# KiCad board Frooastboard Walnut.kicad_pcb
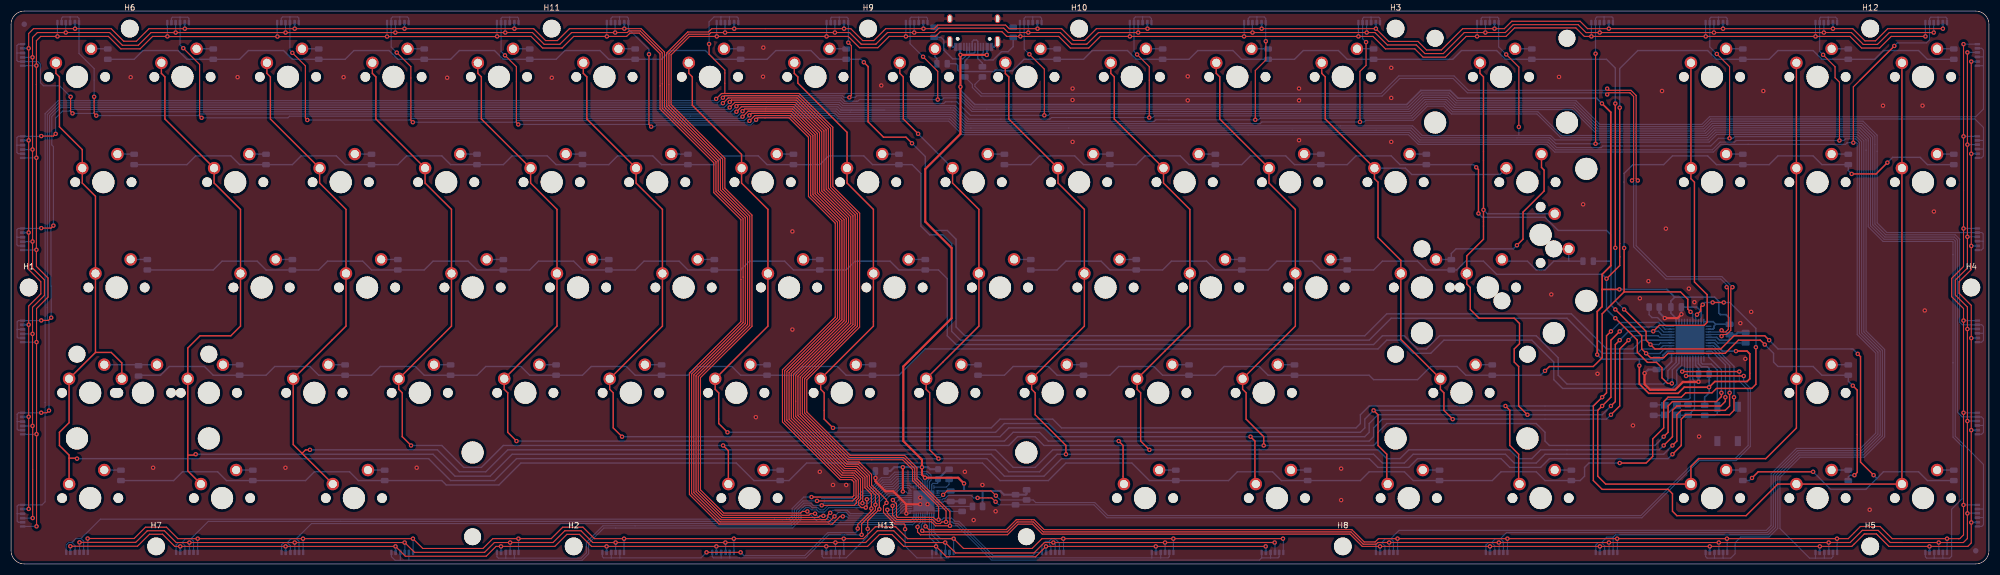
[diagram p0: board, top side]
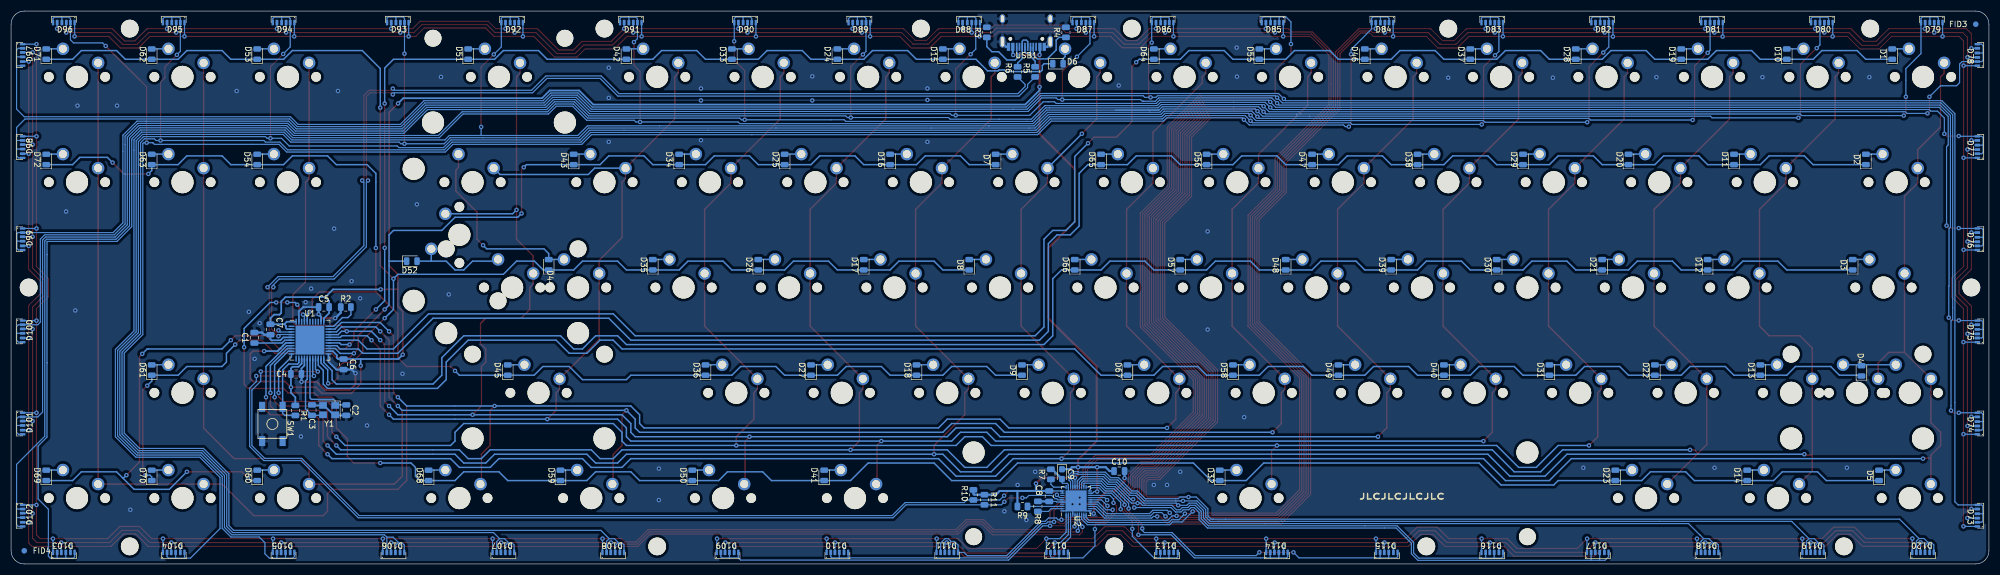
[diagram p1: board, bottom side, seen from below]

Outline 357.19 x 100.01 mm; copper layers: Top, Bottom. Coordinates in mm from the lower left corner of the outline.
Outline path: 0,97.63 arc(0.7,99.32) 2.38,100.01 354.81,100.01 arc(356.49,99.32) 357.19,97.63 357.19,2.38 arc(356.49,0.7) 354.81,0 2.38,0 arc(0.7,0.7) 0,2.38 0,97.63
Stack: Top 0.035mm / dielectric 1.51mm FR4 er 4.5 / Bottom 0.035mm

## Placement (name value [footprint] x y rotation side)
C1  1u  [C_0805_2012Metric]  313.25 40.91 270 bottom
C2  22p  [C_0805_2012Metric]  296.65 27.83 270 bottom
C3  22p  [C_0805_2012Metric]  302.85 27.83 90 bottom
C4  10u  [C_0805_2012Metric]  305.7 34.36 180 bottom
C5  0.1u  [C_0805_2012Metric]  300.7 46.46 0 bottom
C6  0.1u  [C_0805_2012Metric]  297.15 36.11 270 bottom
C7  0.1u  [C_0805_2012Metric]  310.35 42.41 270 bottom
C8  10u  [C_0805_2012Metric]  169.7 12.25 270 bottom
C9  10u  [CP_EIA-2012-15_AVX-P]  167.4 16.25 270 bottom
C10  0.1u  [C_0805_2012Metric]  157.05 16.8 180 bottom
D1  D_Small  [D_0805_2012Metric]  17.46 92.22 90 bottom
D2  D_Small  [D_0805_2012Metric]  22.22 73.17 90 bottom
D3  D_Small  [D_0805_2012Metric]  24.61 54.12 90 bottom
D4  D_Small  [D_0805_2012Metric]  23.02 34.92 90 bottom
D5  D_Small  [D_0805_2012Metric]  19.84 16.02 90 bottom
D6  D_Small  [D_0805_2012Metric]  168.13 90.49 180 bottom
D7  D_Small  [D_0805_2012Metric]  179.39 73.17 90 bottom
D8  D_Small  [D_0805_2012Metric]  184.15 54.12 90 bottom
D9  D_Small  [D_0805_2012Metric]  174.62 35.07 90 bottom
D10  D_Small  [D_0805_2012Metric]  36.51 92.22 90 bottom
D11  D_Small  [D_0805_2012Metric]  46.04 73.17 90 bottom
D12  D_Small  [D_0805_2012Metric]  50.8 54.12 90 bottom
D13  D_Small  [D_0805_2012Metric]  41.28 35.07 90 bottom
D14  D_Small  [D_0805_2012Metric]  43.66 16.02 90 bottom
D15  D_Small  [D_0805_2012Metric]  188.91 92.22 90 bottom
D16  D_Small  [D_0805_2012Metric]  198.44 73.17 90 bottom
D17  D_Small  [D_0805_2012Metric]  203.2 54.12 90 bottom
D18  D_Small  [D_0805_2012Metric]  193.67 35.07 90 bottom
D19  D_Small  [D_0805_2012Metric]  55.56 92.22 90 bottom
D20  D_Small  [D_0805_2012Metric]  65.09 73.17 90 bottom
D21  D_Small  [D_0805_2012Metric]  69.85 54.12 90 bottom
D22  D_Small  [D_0805_2012Metric]  60.33 35.07 90 bottom
D23  D_Small  [D_0805_2012Metric]  67.47 16.02 90 bottom
D24  D_Small  [D_0805_2012Metric]  207.96 92.22 90 bottom
D25  D_Small  [D_0805_2012Metric]  217.49 73.17 90 bottom
D26  D_Small  [D_0805_2012Metric]  222.25 54.12 90 bottom
D27  D_Small  [D_0805_2012Metric]  212.72 35.07 90 bottom
D28  D_Small  [D_0805_2012Metric]  74.61 92.22 90 bottom
D29  D_Small  [D_0805_2012Metric]  84.14 73.17 90 bottom
D30  D_Small  [D_0805_2012Metric]  88.9 54.12 90 bottom
D31  D_Small  [D_0805_2012Metric]  79.38 35.07 90 bottom
D32  D_Small  [D_0805_2012Metric]  138.91 16.02 90 bottom
D33  D_Small  [D_0805_2012Metric]  227.01 92.22 90 bottom
D34  D_Small  [D_0805_2012Metric]  236.54 73.17 90 bottom
D35  D_Small  [D_0805_2012Metric]  241.3 54.12 90 bottom
D36  D_Small  [D_0805_2012Metric]  231.77 35.07 90 bottom
D37  D_Small  [D_0805_2012Metric]  93.66 92.22 90 bottom
D38  D_Small  [D_0805_2012Metric]  103.19 73.17 90 bottom
D39  D_Small  [D_0805_2012Metric]  107.95 54.12 90 bottom
D40  D_Small  [D_0805_2012Metric]  98.42 35.07 90 bottom
D41  D_Small  [D_0805_2012Metric]  210.34 16.02 90 bottom
D42  D_Small  [D_0805_2012Metric]  246.06 92.22 90 bottom
D43  D_Small  [D_0805_2012Metric]  255.59 73.17 90 bottom
D44  D_Small  [D_0805_2012Metric]  260.1 54.12 90 bottom
D45  D_Small  [D_0805_2012Metric]  267.49 35.07 90 bottom
D46  D_Small  [D_0805_2012Metric]  112.71 92.22 90 bottom
D47  D_Small  [D_0805_2012Metric]  122.24 73.17 90 bottom
D48  D_Small  [D_0805_2012Metric]  127 54.12 90 bottom
D49  D_Small  [D_0805_2012Metric]  117.48 35.07 90 bottom
D50  D_Small  [D_0805_2012Metric]  234.16 16.02 90 bottom
D51  D_Small  [D_0805_2012Metric]  274.64 92.22 90 bottom
D52  D_Small  [D_0805_2012Metric]  284.81 54.77 180 bottom
D53  D_Small  [D_0805_2012Metric]  312.74 92.22 90 bottom
D54  D_Small  [D_0805_2012Metric]  312.74 73.17 90 bottom
D55  D_Small  [D_0805_2012Metric]  131.76 92.22 90 bottom
D56  D_Small  [D_0805_2012Metric]  141.29 73.17 90 bottom
D57  D_Small  [D_0805_2012Metric]  146.05 54.12 90 bottom
D58  D_Small  [D_0805_2012Metric]  136.52 35.07 90 bottom
D59  D_Small  [D_0805_2012Metric]  257.97 16.02 90 bottom
D60  D_Small  [D_0805_2012Metric]  312.74 16.02 90 bottom
D61  D_Small  [D_0805_2012Metric]  331.79 35.07 90 bottom
D62  D_Small  [D_0805_2012Metric]  331.79 92.22 90 bottom
D63  D_Small  [D_0805_2012Metric]  331.79 73.17 90 bottom
D64  D_Small  [D_0805_2012Metric]  150.81 92.22 90 bottom
D65  D_Small  [D_0805_2012Metric]  160.34 73.17 90 bottom
D66  D_Small  [D_0805_2012Metric]  165.1 54.12 90 bottom
D67  D_Small  [D_0805_2012Metric]  155.57 35.07 90 bottom
D68  D_Small  [D_0805_2012Metric]  281.78 16.02 90 bottom
D69  D_Small  [D_0805_2012Metric]  350.84 16.02 90 bottom
D70  D_Small  [D_0805_2012Metric]  331.79 16.02 90 bottom
D71  D_Small  [D_0805_2012Metric]  350.84 92.22 90 bottom
D72  D_Small  [D_0805_2012Metric]  350.84 73.17 90 bottom
D73  RGB_LED_6_Pin  [Everlight 99-235]  1.59 8.73 90 bottom
D74  RGB_LED_6_Pin  [Everlight 99-235]  1.59 25.4 90 bottom
D75  RGB_LED_6_Pin  [Everlight 99-235]  1.59 42.07 90 bottom
D76  RGB_LED_6_Pin  [Everlight 99-235]  1.59 58.74 90 bottom
D77  RGB_LED_6_Pin  [Everlight 99-235]  1.59 75.41 90 bottom
D78  RGB_LED_6_Pin  [Everlight 99-235]  1.59 92.08 90 bottom
D79  RGB_LED_6_Pin  [Everlight 99-235]  10.32 98.42 0 bottom
D80  RGB_LED_6_Pin  [Everlight 99-235]  30.16 98.42 0 bottom
D81  RGB_LED_6_Pin  [Everlight 99-235]  50.01 98.42 0 bottom
D82  RGB_LED_6_Pin  [Everlight 99-235]  69.85 98.42 0 bottom
D83  RGB_LED_6_Pin  [Everlight 99-235]  89.69 98.42 0 bottom
D84  RGB_LED_6_Pin  [Everlight 99-235]  109.54 98.42 0 bottom
D85  RGB_LED_6_Pin  [Everlight 99-235]  129.38 98.42 0 bottom
D86  RGB_LED_6_Pin  [Everlight 99-235]  149.22 98.42 0 bottom
D87  RGB_LED_6_Pin  [Everlight 99-235]  163.55 98.42 0 bottom
D88  RGB_LED_6_Pin  [Everlight 99-235]  184.15 98.42 0 bottom
D89  RGB_LED_6_Pin  [Everlight 99-235]  203.99 98.42 0 bottom
D90  RGB_LED_6_Pin  [Everlight 99-235]  224.63 98.42 0 bottom
D91  RGB_LED_6_Pin  [Everlight 99-235]  245.27 98.42 0 bottom
D92  RGB_LED_6_Pin  [Everlight 99-235]  266.7 98.42 0 bottom
D93  RGB_LED_6_Pin  [Everlight 99-235]  287.34 98.42 0 bottom
D94  RGB_LED_6_Pin  [Everlight 99-235]  307.97 98.42 0 bottom
D95  RGB_LED_6_Pin  [Everlight 99-235]  327.82 98.42 0 bottom
D96  RGB_LED_6_Pin  [Everlight 99-235]  347.66 98.42 0 bottom
D97  RGB_LED_6_Pin  [Everlight 99-235]  355.6 92.08 270 bottom
D98  RGB_LED_6_Pin  [Everlight 99-235]  355.6 75.41 270 bottom
D99  RGB_LED_6_Pin  [Everlight 99-235]  355.6 58.74 270 bottom
D100  RGB_LED_6_Pin  [Everlight 99-235]  355.6 42.07 270 bottom
D101  RGB_LED_6_Pin  [Everlight 99-235]  355.6 25.4 270 bottom
D102  RGB_LED_6_Pin  [Everlight 99-235]  355.6 8.73 270 bottom
D103  RGB_LED_6_Pin  [Everlight 99-235]  347.66 1.59 180 bottom
D104  RGB_LED_6_Pin  [Everlight 99-235]  327.82 1.59 180 bottom
D105  RGB_LED_6_Pin  [Everlight 99-235]  307.97 1.59 180 bottom
D106  RGB_LED_6_Pin  [Everlight 99-235]  288.13 1.59 180 bottom
D107  RGB_LED_6_Pin  [Everlight 99-235]  268.29 1.59 180 bottom
D108  RGB_LED_6_Pin  [Everlight 99-235]  248.44 1.59 180 bottom
D109  RGB_LED_6_Pin  [Everlight 99-235]  227.81 1.59 180 bottom
D110  RGB_LED_6_Pin  [Everlight 99-235]  207.96 1.59 180 bottom
D111  RGB_LED_6_Pin  [Everlight 99-235]  188.12 1.59 180 bottom
D112  RGB_LED_6_Pin  [Everlight 99-235]  168.27 1.59 180 bottom
D113  RGB_LED_6_Pin  [Everlight 99-235]  148.43 1.59 180 bottom
D114  RGB_LED_6_Pin  [Everlight 99-235]  128.59 1.59 180 bottom
D115  RGB_LED_6_Pin  [Everlight 99-235]  108.74 1.59 180 bottom
D116  RGB_LED_6_Pin  [Everlight 99-235]  89.69 1.59 180 bottom
D117  RGB_LED_6_Pin  [Everlight 99-235]  70.64 1.59 180 bottom
D118  RGB_LED_6_Pin  [Everlight 99-235]  50.8 1.59 180 bottom
D119  RGB_LED_6_Pin  [Everlight 99-235]  31.75 1.6 180 bottom
D120  RGB_LED_6_Pin  [Everlight 99-235]  11.91 1.6 180 bottom
FID3  Fiducial  [Fiducial_1mm_Mask2mm]  2.38 97.63 180 bottom
FID4  Fiducial  [Fiducial_1mm_Mask2mm]  354.81 2.38 180 bottom
H1  MountingHole  [MountingHole_3.2mm_M3_DIN965]  3.18 50.01 0 top
H2  MountingHole  [MountingHole_3.2mm_M3_DIN965]  101.6 3.17 0 top
H3  MountingHole  [MountingHole_3.2mm_M3_DIN965]  250.03 96.84 0 top
H4  MountingHole  [MountingHole_3.2mm_M3_DIN965]  354.01 50.01 0 top
H5  MountingHole  [MountingHole_3.2mm_M3_DIN965]  335.76 3.17 0 top
H6  MountingHole  [MountingHole_3.2mm_M3_DIN965]  21.43 96.84 0 top
H7  MountingHole  [MountingHole_3.2mm_M3_DIN965]  26.19 3.17 0 top
H8  MountingHole  [MountingHole_3.2mm_M3_DIN965]  240.51 3.17 0 top
H9  MountingHole  [MountingHole_3.2mm_M3_DIN965]  154.78 96.84 0 top
H10  MountingHole  [MountingHole_3.2mm_M3_DIN965]  192.88 96.84 0 top
H11  MountingHole  [MountingHole_3.2mm_M3_DIN965]  97.63 96.84 0 top
H12  MountingHole  [MountingHole_3.2mm_M3_DIN965]  335.76 96.84 0 top
H13  MountingHole  [MountingHole_3.2mm_M3_DIN965]  157.96 3.17 0 top
KEY_0  MX-NoLED  [MXOnly-1U-NoLED]  202.41 88.11 0 top
KEY_1  MX-NoLED  [MXOnly-1U-NoLED]  30.96 88.11 0 top
KEY_2  MX-NoLED  [MXOnly-1U-NoLED]  50.01 88.11 0 top
KEY_3  MX-NoLED  [MXOnly-1U-NoLED]  69.06 88.11 0 top
KEY_4  MX-NoLED  [MXOnly-1U-NoLED]  88.11 88.11 0 top
KEY_5  MX-NoLED  [MXOnly-1U-NoLED]  107.16 88.11 0 top
KEY_6  MX-NoLED  [MXOnly-1U-NoLED]  126.21 88.11 0 top
KEY_7  MX-NoLED  [MXOnly-1U-NoLED]  145.26 88.11 0 top
KEY_8  MX-NoLED  [MXOnly-1U-NoLED]  164.31 88.11 0 top
KEY_9  MX-NoLED  [MXOnly-1U-NoLED]  183.36 88.11 0 top
KEY_#1  MX-NoLED  [MXOnly-1U-NoLED]  254.79 50.01 0 top
KEY_#2  MX-NoLED  [MXOnly-1.5U-NoLED]  273.84 69.06 0 top
KEY_'1  MX-NoLED  [MXOnly-1U-NoLED]  235.74 50.01 0 top
KEY_,1  MX-NoLED  [MXOnly-1U-NoLED]  188.12 30.96 0 top
KEY_-1  MX-NoLED  [MXOnly-1U-NoLED]  221.46 88.11 0 top
KEY_.1  MX-NoLED  [MXOnly-1U-NoLED]  207.17 30.96 0 top
KEY_/1  MX-NoLED  [MXOnly-1U-NoLED]  226.22 30.96 0 top
KEY_;1  MX-NoLED  [MXOnly-1U-NoLED]  216.69 50.01 0 top
KEY_=1  MX-NoLED  [MXOnly-1U-NoLED]  240.51 88.11 0 top
KEY_[1  MX-NoLED  [MXOnly-1U-NoLED]  230.98 69.06 0 top
KEY_\1  MX-NoLED  [MXOnly-1U-NoLED]  35.72 30.96 0 top
KEY_]1  MX-NoLED  [MXOnly-1U-NoLED]  250.03 69.06 0 top
KEY_A1  MX-NoLED  [MXOnly-1U-NoLED]  45.24 50.01 0 top
KEY_B1  MX-NoLED  [MXOnly-1U-NoLED]  130.97 30.96 0 top
KEY_BACKSPACE1  MX-NoLED  [MXOnly-2U-NoLED]  269.08 88.11 0 top
KEY_C1  MX-NoLED  [MXOnly-1U-NoLED]  92.87 30.96 0 top
KEY_CAPS1  MX-NoLED  [MXOnly-1.75U-NoLED]  19.05 50.01 0 top
KEY_D1  MX-NoLED  [MXOnly-1U-NoLED]  83.34 50.01 0 top
KEY_DELETE1  MX-NoLED  [MXOnly-1U-NoLED]  307.18 69.06 0 top
KEY_DOWN1  MX-NoLED  [MXOnly-1U-NoLED]  326.23 11.91 0 top
KEY_E1  MX-NoLED  [MXOnly-1U-NoLED]  78.58 69.06 0 top
KEY_END1  MX-NoLED  [MXOnly-1U-NoLED]  326.23 69.06 0 top
KEY_ENTER1  MX-NoLED  [MXOnly-ISO-ROTATED-NoLED-NoStabilizers]  276.22 59.53 0 top
KEY_ENTER2  MX-NoLED  [MXOnly-2.25U-NoLED]  266.7 50.01 0 top
KEY_ESC1  MX-NoLED  [MXOnly-1U-NoLED]  11.91 88.11 0 top
KEY_F1  MX-NoLED  [MXOnly-1U-NoLED]  102.39 50.01 0 top
KEY_FN1  MX-NoLED  [MXOnly-1.25U-NoLED]  228.6 11.91 0 top
KEY_G1  MX-NoLED  [MXOnly-1U-NoLED]  121.44 50.01 0 top
KEY_H1  MX-NoLED  [MXOnly-1U-NoLED]  140.49 50.01 0 top
KEY_HOME1  MX-NoLED  [MXOnly-1U-NoLED]  326.23 88.11 0 top
KEY_I1  MX-NoLED  [MXOnly-1U-NoLED]  173.83 69.06 0 top
KEY_INSERT1  MX-NoLED  [MXOnly-1U-NoLED]  307.18 88.11 0 top
KEY_J1  MX-NoLED  [MXOnly-1U-NoLED]  159.54 50.01 0 top
KEY_K1  MX-NoLED  [MXOnly-1U-NoLED]  178.59 50.01 0 top
KEY_L1  MX-NoLED  [MXOnly-1U-NoLED]  197.64 50.01 0 top
KEY_LALT1  MX-NoLED  [MXOnly-1.25U-NoLED]  61.91 11.91 0 top
KEY_LCTRL1  MX-NoLED  [MXOnly-1.25U-NoLED]  14.29 11.91 0 top
KEY_LEFT1  MX-NoLED  [MXOnly-1U-NoLED]  307.18 11.91 0 top
KEY_LGUI1  MX-NoLED  [MXOnly-1.25U-NoLED]  38.1 11.91 0 top
KEY_LSHIFT1  MX-NoLED  [MXOnly-1.25U-NoLED]  14.29 30.96 0 top
KEY_LSHIFT2  MX-NoLED  [MXOnly-2.25U-NoLED]  23.81 30.96 0 top
KEY_M1  MX-NoLED  [MXOnly-1U-NoLED]  169.07 30.96 0 top
KEY_MENU1  MX-NoLED  [MXOnly-1.25U-NoLED]  252.41 11.91 0 top
KEY_N1  MX-NoLED  [MXOnly-1U-NoLED]  150.02 30.96 0 top
KEY_O1  MX-NoLED  [MXOnly-1U-NoLED]  192.88 69.06 0 top
KEY_P1  MX-NoLED  [MXOnly-1U-NoLED]  211.93 69.06 0 top
KEY_PAGEDOWN1  MX-NoLED  [MXOnly-1U-NoLED]  345.28 69.06 0 top
KEY_PAGEUP1  MX-NoLED  [MXOnly-1U-NoLED]  345.28 88.11 0 top
KEY_Q1  MX-NoLED  [MXOnly-1U-NoLED]  40.48 69.06 0 top
KEY_R1  MX-NoLED  [MXOnly-1U-NoLED]  97.63 69.06 0 top
KEY_RALT1  MX-NoLED  [MXOnly-1.25U-NoLED]  204.79 11.91 0 top
KEY_RCTRL1  MX-NoLED  [MXOnly-1.25U-NoLED]  276.22 11.91 0 top
KEY_RIGHT1  MX-NoLED  [MXOnly-1U-NoLED]  345.28 11.91 0 top
KEY_RSHIFT1  MX-NoLED  [MXOnly-2.75U-NoLED]  261.94 30.96 0 top
KEY_S1  MX-NoLED  [MXOnly-1U-NoLED]  64.29 50.01 0 top
KEY_SPACE1  MX-NoLED  [MXOnly-6.25U-ReversedStabilizers-NoLED]  133.35 11.91 0 top
KEY_T1  MX-NoLED  [MXOnly-1U-NoLED]  116.68 69.06 0 top
KEY_TAB1  MX-NoLED  [MXOnly-1.5U-NoLED]  16.67 69.06 0 top
KEY_U1  MX-NoLED  [MXOnly-1U-NoLED]  154.78 69.06 0 top
KEY_UP1  MX-NoLED  [MXOnly-1U-NoLED]  326.23 30.96 0 top
KEY_V1  MX-NoLED  [MXOnly-1U-NoLED]  111.92 30.96 0 top
KEY_W1  MX-NoLED  [MXOnly-1U-NoLED]  59.53 69.06 0 top
KEY_X1  MX-NoLED  [MXOnly-1U-NoLED]  73.82 30.96 0 top
KEY_Y1  MX-NoLED  [MXOnly-1U-NoLED]  54.77 30.96 0 top
KEY_Z1  MX-NoLED  [MXOnly-1U-NoLED]  135.73 69.06 0 top
R1  10k  [R_0805_2012Metric]  305.85 27.78 90 bottom
R2  10k  [R_0805_2012Metric]  296.74 46.46 0 bottom
R3  5k1  [R_0805_2012Metric]  180.97 96.16 90 bottom
R4  5k1  [R_0805_2012Metric]  166.69 96.16 90 bottom
R5  22R  [R_0805_2012Metric]  172.24 89.02 90 bottom
R6  22R  [R_0805_2012Metric]  175.42 89.02 90 bottom
R7  20k  [R_0805_2012Metric]  169.4 16.21 90 bottom
R8  100k  [R_0805_2012Metric]  171.75 10.41 90 bottom
R9  100k  [R_0805_2012Metric]  174.54 10.4 0 bottom
R10  2k  [R_0805_2012Metric]  183.4 12.49 270 bottom
R11  2k  [R_0805_2012Metric]  181.4 11.61 270 bottom
SW1  SW_Push  [SKQG-1155865]  310 25.33 90 bottom
U1  ATmega32U4-A  [QFN-44-1EP_7x7mm_P0.5mm_EP5.2x5.2mm]  303.21 40.48 180 bottom
U2  IS31FL3737  [QFN-40-1EP_5x5mm_P0.4mm_EP3.8x3.8mm]  164.85 11.4 90 bottom
USB1  -  [HRO-TYPE-C-31-M-12]  173.83 101.24 0 bottom
Y1  Crystal_GND24_Small  [Crystal_SMD_3225-4Pin_3.2x2.5mm]  299.75 27.83 0 bottom

## Footprints (pads in the part's own frame, mm; a bottom-side part is the same pattern mirrored in y, then rotated)
C_0805_2012Metric
  rrect 1x1.45 smd: 1(-0.95,0) 2(0.95,0)
CP_EIA-2012-15_AVX-P
  rrect 1.125x1.05 smd: 1(-0.887,0) 2(0.887,0)
Crystal_SMD_3225-4Pin_3.2x2.5mm
  rect 1.4x1.2 smd: 1(-1.1,-0.85) 2(1.1,-0.85) 3(1.1,0.85) 4(-1.1,0.85)
D_0805_2012Metric
  rrect 0.975x1.4 smd: 1(-0.938,0) 2(0.938,0)
Everlight 99-235
  rrect 0.42x1 smd: 1(-1.95,0.5) 6(1.95,0.5)
  rrect 0.5x1 smd: 2(-1.2,0.5) 3(-0.45,0.5) 4(0.35,0.5) 5(1.2,0.5)
Fiducial_1mm_Mask2mm
  round 1 smd: (0,0)
HRO-TYPE-C-31-M-12
  round 0.65 hole 0.65 unplated: (-2.89,6.25) (2.89,6.25)
  rect 0.6x1.45 smd: 1(-3.225,7.695) 2(-2.45,7.695) 11(2.45,7.695) 12(3.225,7.695)
  rect 0.3x1.45 smd: 3(-1.75,7.695) 4(-1.25,7.695) 5(-0.75,7.695) 6(-0.25,7.695) 7(0.25,7.695) 8(0.75,7.695) 9(1.25,7.695) 10(1.75,7.695)
  oval 1x1.6 hole 0.6x1.2: 13(-4.32,2.6) 13(4.32,2.6)
  oval 1x2.1 hole 0.6x1.7: 13(-4.32,6.78) 13(4.32,6.78)
MountingHole_3.2mm_M3_DIN965
  round 3.2 hole 3.2 unplated: (0,0)
MXOnly-1.5U-NoLED
  round 1.75 hole 1.75 unplated: (-5.08,0) (5.08,0)
  round 3.988 hole 3.988 unplated: (0,0)
  round 2.25 hole 1.47: 1(-3.81,2.54) 2(2.54,5.08)
MXOnly-1.25U-NoLED
  round 1.75 hole 1.75 unplated: (-5.08,0) (5.08,0)
  round 3.988 hole 3.988 unplated: (0,0)
  round 2.25 hole 1.47: 1(-3.81,2.54) 2(2.54,5.08)
MXOnly-1.75U-NoLED
  round 1.75 hole 1.75 unplated: (-5.08,0) (5.08,0)
  round 3.988 hole 3.988 unplated: (0,0)
  round 2.25 hole 1.47: 1(-3.81,2.54) 2(2.54,5.08)
MXOnly-1U-NoLED
  round 1.75 hole 1.75 unplated: (-5.08,0) (5.08,0)
  round 3.988 hole 3.988 unplated: (0,0)
  round 2.25 hole 1.47: 1(-3.81,2.54) 2(2.54,5.08)
MXOnly-2.25U-NoLED
  round 3.048 hole 3.048 unplated: (-11.906,6.985) (11.906,6.985)
  round 3.988 hole 3.988 unplated: (-11.906,-8.255) (0,0) (11.906,-8.255)
  round 1.75 hole 1.75 unplated: (-5.08,0) (5.08,0)
  round 2.25 hole 1.47: 1(-3.81,2.54) 2(2.54,5.08)
MXOnly-2.75U-NoLED
  round 3.048 hole 3.048 unplated: (-11.906,6.985) (11.906,6.985)
  round 3.988 hole 3.988 unplated: (-11.906,-8.255) (0,0) (11.906,-8.255)
  round 1.75 hole 1.75 unplated: (-5.08,0) (5.08,0)
  round 2.25 hole 1.47: 1(-3.81,2.54) 2(2.54,5.08)
MXOnly-2U-NoLED
  round 3.048 hole 3.048 unplated: (-11.906,6.985) (11.906,6.985)
  round 3.988 hole 3.988 unplated: (-11.906,-8.255) (0,0) (11.906,-8.255)
  round 1.75 hole 1.75 unplated: (-5.08,0) (5.08,0)
  round 2.25 hole 1.47: 1(-3.81,2.54) 2(2.54,5.08)
MXOnly-6.25U-ReversedStabilizers-NoLED
  round 3.988 hole 3.988 unplated: (-50,8.255) (0,0) (50,8.255)
  round 3.048 hole 3.048 unplated: (-50,-6.985) (50,-6.985)
  round 1.75 hole 1.75 unplated: (-5.08,0) (5.08,0)
  round 2.25 hole 1.47: 1(-3.81,2.54) 2(2.54,5.08)
MXOnly-ISO-ROTATED-NoLED-NoStabilizers
  round 3.048 hole 3.048 unplated: (-6.985,-11.938)
  round 1.75 hole 1.75 unplated: (0,5.08) (0,-5.08)
  round 3.988 hole 3.988 unplated: (0,0) (8.255,11.938) (8.255,-11.938)
  round 2.25 hole 1.47: 1(2.54,3.81) 2(5.08,-2.54)
QFN-40-1EP_5x5mm_P0.4mm_EP3.8x3.8mm
  rrect 1.02x1.02 smd: (-1.27,-1.27) (-1.27,0) (-1.27,1.27) (0,-1.27) (0,0) (0,1.27) (1.27,-1.27) (1.27,0) (1.27,1.27)
  rrect 0.775x0.2 smd: 1(-2.487,1.8) 2(-2.487,1.4) 3(-2.487,1) 4(-2.487,0.6) 5(-2.487,0.2) 6(-2.487,-0.2) 7(-2.487,-0.6) 8(-2.487,-1) 9(-2.487,-1.4) 10(-2.487,-1.8) 21(2.487,-1.8) 22(2.487,-1.4) 23(2.487,-1) 24(2.487,-0.6) 25(2.487,-0.2) 26(2.487,0.2) 27(2.487,0.6) 28(2.487,1) 29(2.487,1.4) 30(2.487,1.8)
  rrect 0.2x0.775 smd: 11(-1.8,-2.487) 12(-1.4,-2.487) 13(-1,-2.487) 14(-0.6,-2.487) 15(-0.2,-2.487) 16(0.2,-2.487) 17(0.6,-2.487) 18(1,-2.487) 19(1.4,-2.487) 20(1.8,-2.487) 31(1.8,2.487) 32(1.4,2.487) 33(1,2.487) 34(0.6,2.487) 35(0.2,2.487) 36(-0.2,2.487) 37(-0.6,2.487) 38(-1,2.487) 39(-1.4,2.487) 40(-1.8,2.487)
  rect 3.8x3.8 smd: 41(0,0)
QFN-44-1EP_7x7mm_P0.5mm_EP5.2x5.2mm
  rrect 1.05x1.05 smd: (-1.95,-1.95) (-1.95,-0.65) (-1.95,0.65) (-1.95,1.95) (-0.65,-1.95) (-0.65,-0.65) (-0.65,0.65) (-0.65,1.95) (0.65,-1.95) (0.65,-0.65) (0.65,0.65) (0.65,1.95) (1.95,-1.95) (1.95,-0.65) (1.95,0.65) (1.95,1.95)
  rrect 1.075x0.25 smd: 1(-3.337,2.5) 2(-3.337,2) 3(-3.337,1.5) 4(-3.337,1) 5(-3.337,0.5) 6(-3.337,0) 7(-3.337,-0.5) 8(-3.337,-1) 9(-3.337,-1.5) 10(-3.337,-2) 11(-3.337,-2.5) 23(3.337,-2.5) 24(3.337,-2) 25(3.337,-1.5) 26(3.337,-1) 27(3.337,-0.5) 28(3.337,0) 29(3.337,0.5) 30(3.337,1) 31(3.337,1.5) 32(3.337,2) 33(3.337,2.5)
  rrect 0.25x1.075 smd: 12(-2.5,-3.337) 13(-2,-3.337) 14(-1.5,-3.337) 15(-1,-3.337) 16(-0.5,-3.337) 17(0,-3.337) 18(0.5,-3.337) 19(1,-3.337) 20(1.5,-3.337) 21(2,-3.337) 22(2.5,-3.337) 34(2.5,3.337) 35(2,3.337) 36(1.5,3.337) 37(1,3.337) 38(0.5,3.337) 39(0,3.337) 40(-0.5,3.337) 41(-1,3.337) 42(-1.5,3.337) 43(-2,3.337) 44(-2.5,3.337)
  rect 5.2x5.2 smd: 45(0,0)
R_0805_2012Metric
  rrect 1.025x1.4 smd: 1(-0.912,0) 2(0.912,0)
SKQG-1155865
  rect 1.8x1.1 smd: 1(3.1,-1.85) 2(-3.1,1.85) 3(3.1,1.85) 4(-3.1,-1.85)

## Nets
+5V: C4.1 C5.1 C6.1 C7.1 C8.1 C9.1 C10.1 R1.2 R9.2 R10.1 R11.1 U1.2 U1.7 U1.14 U1.24 U1.34 U1.44 U2.19 U2.26 U2.31 U2.32 USB1.2 USB1.11
GND: C1.1 C2.2 C3.2 C4.2 C5.2 C6.2 C7.2 C8.2 C9.2 C10.2 R2.2 R3.2 R4.2 R7.2 R8.2 SW1.2 U1.5 U1.15 U1.23 U1.35 U1.43 U2.4 U2.11 U2.29 U2.36 U2.40 U2.41 USB1.1 USB1.12 USB1.13 Y1.2 Y1.4
COL0: KEY_8.1 KEY_CAPS1.1 KEY_ESC1.1 KEY_I1.1 KEY_K1.1 KEY_LCTRL1.1 KEY_LSHIFT1.1 KEY_LSHIFT2.1 KEY_M1.1 KEY_TAB1.1 U1.8
COL1: KEY_1.1 KEY_9.1 KEY_,1.1 KEY_\1.1 KEY_A1.1 KEY_L1.1 KEY_LGUI1.1 KEY_O1.1 KEY_Q1.1 U1.9
COL2: KEY_0.1 KEY_2.1 KEY_.1.1 KEY_;1.1 KEY_LALT1.1 KEY_P1.1 KEY_S1.1 KEY_W1.1 KEY_Y1.1 U1.10
COL3: KEY_3.1 KEY_'1.1 KEY_-1.1 KEY_/1.1 KEY_[1.1 KEY_D1.1 KEY_E1.1 KEY_SPACE1.1 KEY_X1.1 U1.11
COL4: KEY_4.1 KEY_#1.1 KEY_#2.1 KEY_=1.1 KEY_]1.1 KEY_C1.1 KEY_F1.1 KEY_R1.1 KEY_RALT1.1 KEY_RSHIFT1.1 U1.29
COL5: KEY_5.1 KEY_BACKSPACE1.1 KEY_DELETE1.1 KEY_ENTER1.1 KEY_ENTER2.1 KEY_FN1.1 KEY_G1.1 KEY_INSERT1.1 KEY_T1.1 KEY_V1.1 U1.30
COL6: KEY_6.1 KEY_B1.1 KEY_END1.1 KEY_H1.1 KEY_HOME1.1 KEY_LEFT1.1 KEY_MENU1.1 KEY_UP1.1 KEY_Z1.1 U1.31
COL7: KEY_7.1 KEY_DOWN1.1 KEY_J1.1 KEY_N1.1 KEY_PAGEDOWN1.1 KEY_PAGEUP1.1 KEY_RCTRL1.1 KEY_RIGHT1.1 KEY_U1.1 U1.32
CS1: D73.2 D73.4 D73.6 D85.2 D85.4 D85.6 D97.2 D97.4 D97.6 D109.2 D109.4 D109.6 U2.15
CS2: D74.2 D74.4 D74.6 D86.2 D86.4 D86.6 D98.2 D98.4 D98.6 D110.2 D110.4 D110.6 U2.16
CS3: D75.2 D75.4 D75.6 D87.2 D87.4 D87.6 D99.2 D99.4 D99.6 D111.2 D111.4 D111.6 U2.17
CS4: D76.2 D76.4 D76.6 D88.2 D88.4 D88.6 D100.2 D100.4 D100.6 D112.2 D112.4 D112.6 U2.18
CS5: D77.2 D77.4 D77.6 D89.2 D89.4 D89.6 D101.2 D101.4 D101.6 D113.2 D113.4 D113.6 U2.20
CS6: D78.2 D78.4 D78.6 D90.2 D90.4 D90.6 D102.2 D102.4 D102.6 D114.2 D114.4 D114.6 U2.21
CS7: D79.2 D79.4 D79.6 D91.2 D91.4 D91.6 D103.2 D103.4 D103.6 D115.2 D115.4 D115.6 U2.22
CS8: D80.2 D80.4 D80.6 D92.2 D92.4 D92.6 D104.2 D104.4 D104.6 D116.2 D116.4 D116.6 U2.23
CS9: D81.2 D81.4 D81.6 D93.2 D93.4 D93.6 D105.2 D105.4 D105.6 D117.2 D117.4 D117.6 U2.24
CS10: D82.2 D82.4 D82.6 D94.2 D94.4 D94.6 D106.2 D106.4 D106.6 D118.2 D118.4 D118.6 U2.25
CS11: D83.2 D83.4 D83.6 D95.2 D95.4 D95.6 D107.2 D107.4 D107.6 D119.2 D119.4 D119.6 U2.27
CS12: D84.2 D84.4 D84.6 D96.2 D96.4 D96.6 D108.2 D108.4 D108.6 D120.2 D120.4 D120.6 U2.28
D+: R6.1 U1.4
D-: R5.1 U1.3
HWB: R2.1 U1.33
IICRST: R8.1 U2.39
RESET: R1.1 SW1.1 U1.13
ROW0: D1.1 D10.1 D19.1 D28.1 D37.1 D46.1 D55.1 D64.1 U1.28
ROW1: D6.1 D15.1 D24.1 D33.1 D42.1 D51.1 D60.1 D69.1 U1.27
ROW2: D2.1 D11.1 D20.1 D29.1 D38.1 D47.1 D56.1 D65.1 U1.26
ROW3: D7.1 D16.1 D25.1 D34.1 D43.1 D52.1 D61.1 D70.1 U1.25
ROW4: D3.1 D12.1 D21.1 D30.1 D39.1 D48.1 D57.1 D66.1 U1.22
ROW5: D8.1 D17.1 D26.1 D35.1 D44.1 D53.1 D62.1 D71.1 U1.21
ROW6: D4.1 D13.1 D22.1 D31.1 D40.1 D49.1 D58.1 D67.1 U1.20
ROW7: D9.1 D18.1 D27.1 D36.1 D45.1 D54.1 D63.1 D72.1 U1.40
ROW8: D5.1 D14.1 D23.1 D32.1 D41.1 D50.1 D59.1 D68.1 U1.41
RSET: R7.1 U2.30
SCL: R11.2 U1.18 U2.35
SDA: R10.2 U1.19 U2.34
SDB: R9.1 U2.38
SW1: D109.1 D110.1 D111.1 D112.1 D113.1 D114.1 D115.1 D116.1 D117.1 D118.1 D119.1 D120.1 U2.1
SW2: D109.3 D110.3 D111.3 D112.3 D113.3 D114.3 D115.3 D116.3 D117.3 D118.3 D119.3 D120.3 U2.2
SW3: D109.5 D110.5 D111.5 D112.5 D113.5 D114.5 D115.5 D116.5 D117.5 D118.5 D119.5 D120.5 U2.3
SW4: D97.1 D98.1 D99.1 D100.1 D101.1 D102.1 D103.1 D104.1 D105.1 D106.1 D107.1 D108.1 U2.5
SW5: D97.3 D98.3 D99.3 D100.3 D101.3 D102.3 D103.3 D104.3 D105.3 D106.3 D107.3 D108.3 U2.6
SW6: D97.5 D98.5 D99.5 D100.5 D101.5 D102.5 D103.5 D104.5 D105.5 D106.5 D107.5 D108.5 U2.7
SW7: D85.1 D86.1 D87.1 D88.1 D89.1 D90.1 D91.1 D92.1 D93.1 D94.1 D95.1 D96.1 U2.8
SW8: D85.3 D86.3 D87.3 D88.3 D89.3 D90.3 D91.3 D92.3 D93.3 D94.3 D95.3 D96.3 U2.9
SW9: D85.5 D86.5 D87.5 D88.5 D89.5 D90.5 D91.5 D92.5 D93.5 D94.5 D95.5 D96.5 U2.10
SW10: D73.1 D74.1 D75.1 D76.1 D77.1 D78.1 D79.1 D80.1 D81.1 D82.1 D83.1 D84.1 U2.12
SW11: D73.3 D74.3 D75.3 D76.3 D77.3 D78.3 D79.3 D80.3 D81.3 D82.3 D83.3 D84.3 U2.13
SW12: D73.5 D74.5 D75.5 D76.5 D77.5 D78.5 D79.5 D80.5 D81.5 D82.5 D83.5 D84.5 U2.14
UCAP: C1.2 U1.6
XTAL1: C2.1 U1.17 Y1.1
XTAL2: C3.1 U1.16 Y1.3
Net-(D1-Pad2): D1.2 KEY_ESC1.2
Net-(D2-Pad2): D2.2 KEY_TAB1.2
Net-(D3-Pad2): D3.2 KEY_CAPS1.2
Net-(D4-Pad2): D4.2 KEY_LSHIFT1.2 KEY_LSHIFT2.2
Net-(D5-Pad2): D5.2 KEY_LCTRL1.2